# Altium PCB Allwinner_A13_BRD.PcbDoc (part 3 of 5)
Units mil, origin at the board's own origin, x right, y up, seen from the top; angles counter-clockwise.
Board outline 3937 x 2895 mil, 4 copper layers (Top Layer, power, gnd, Bottom Layer), stack 68.553 mil thick; 348 components, 338 nets, 1570 pads, 834 vias.
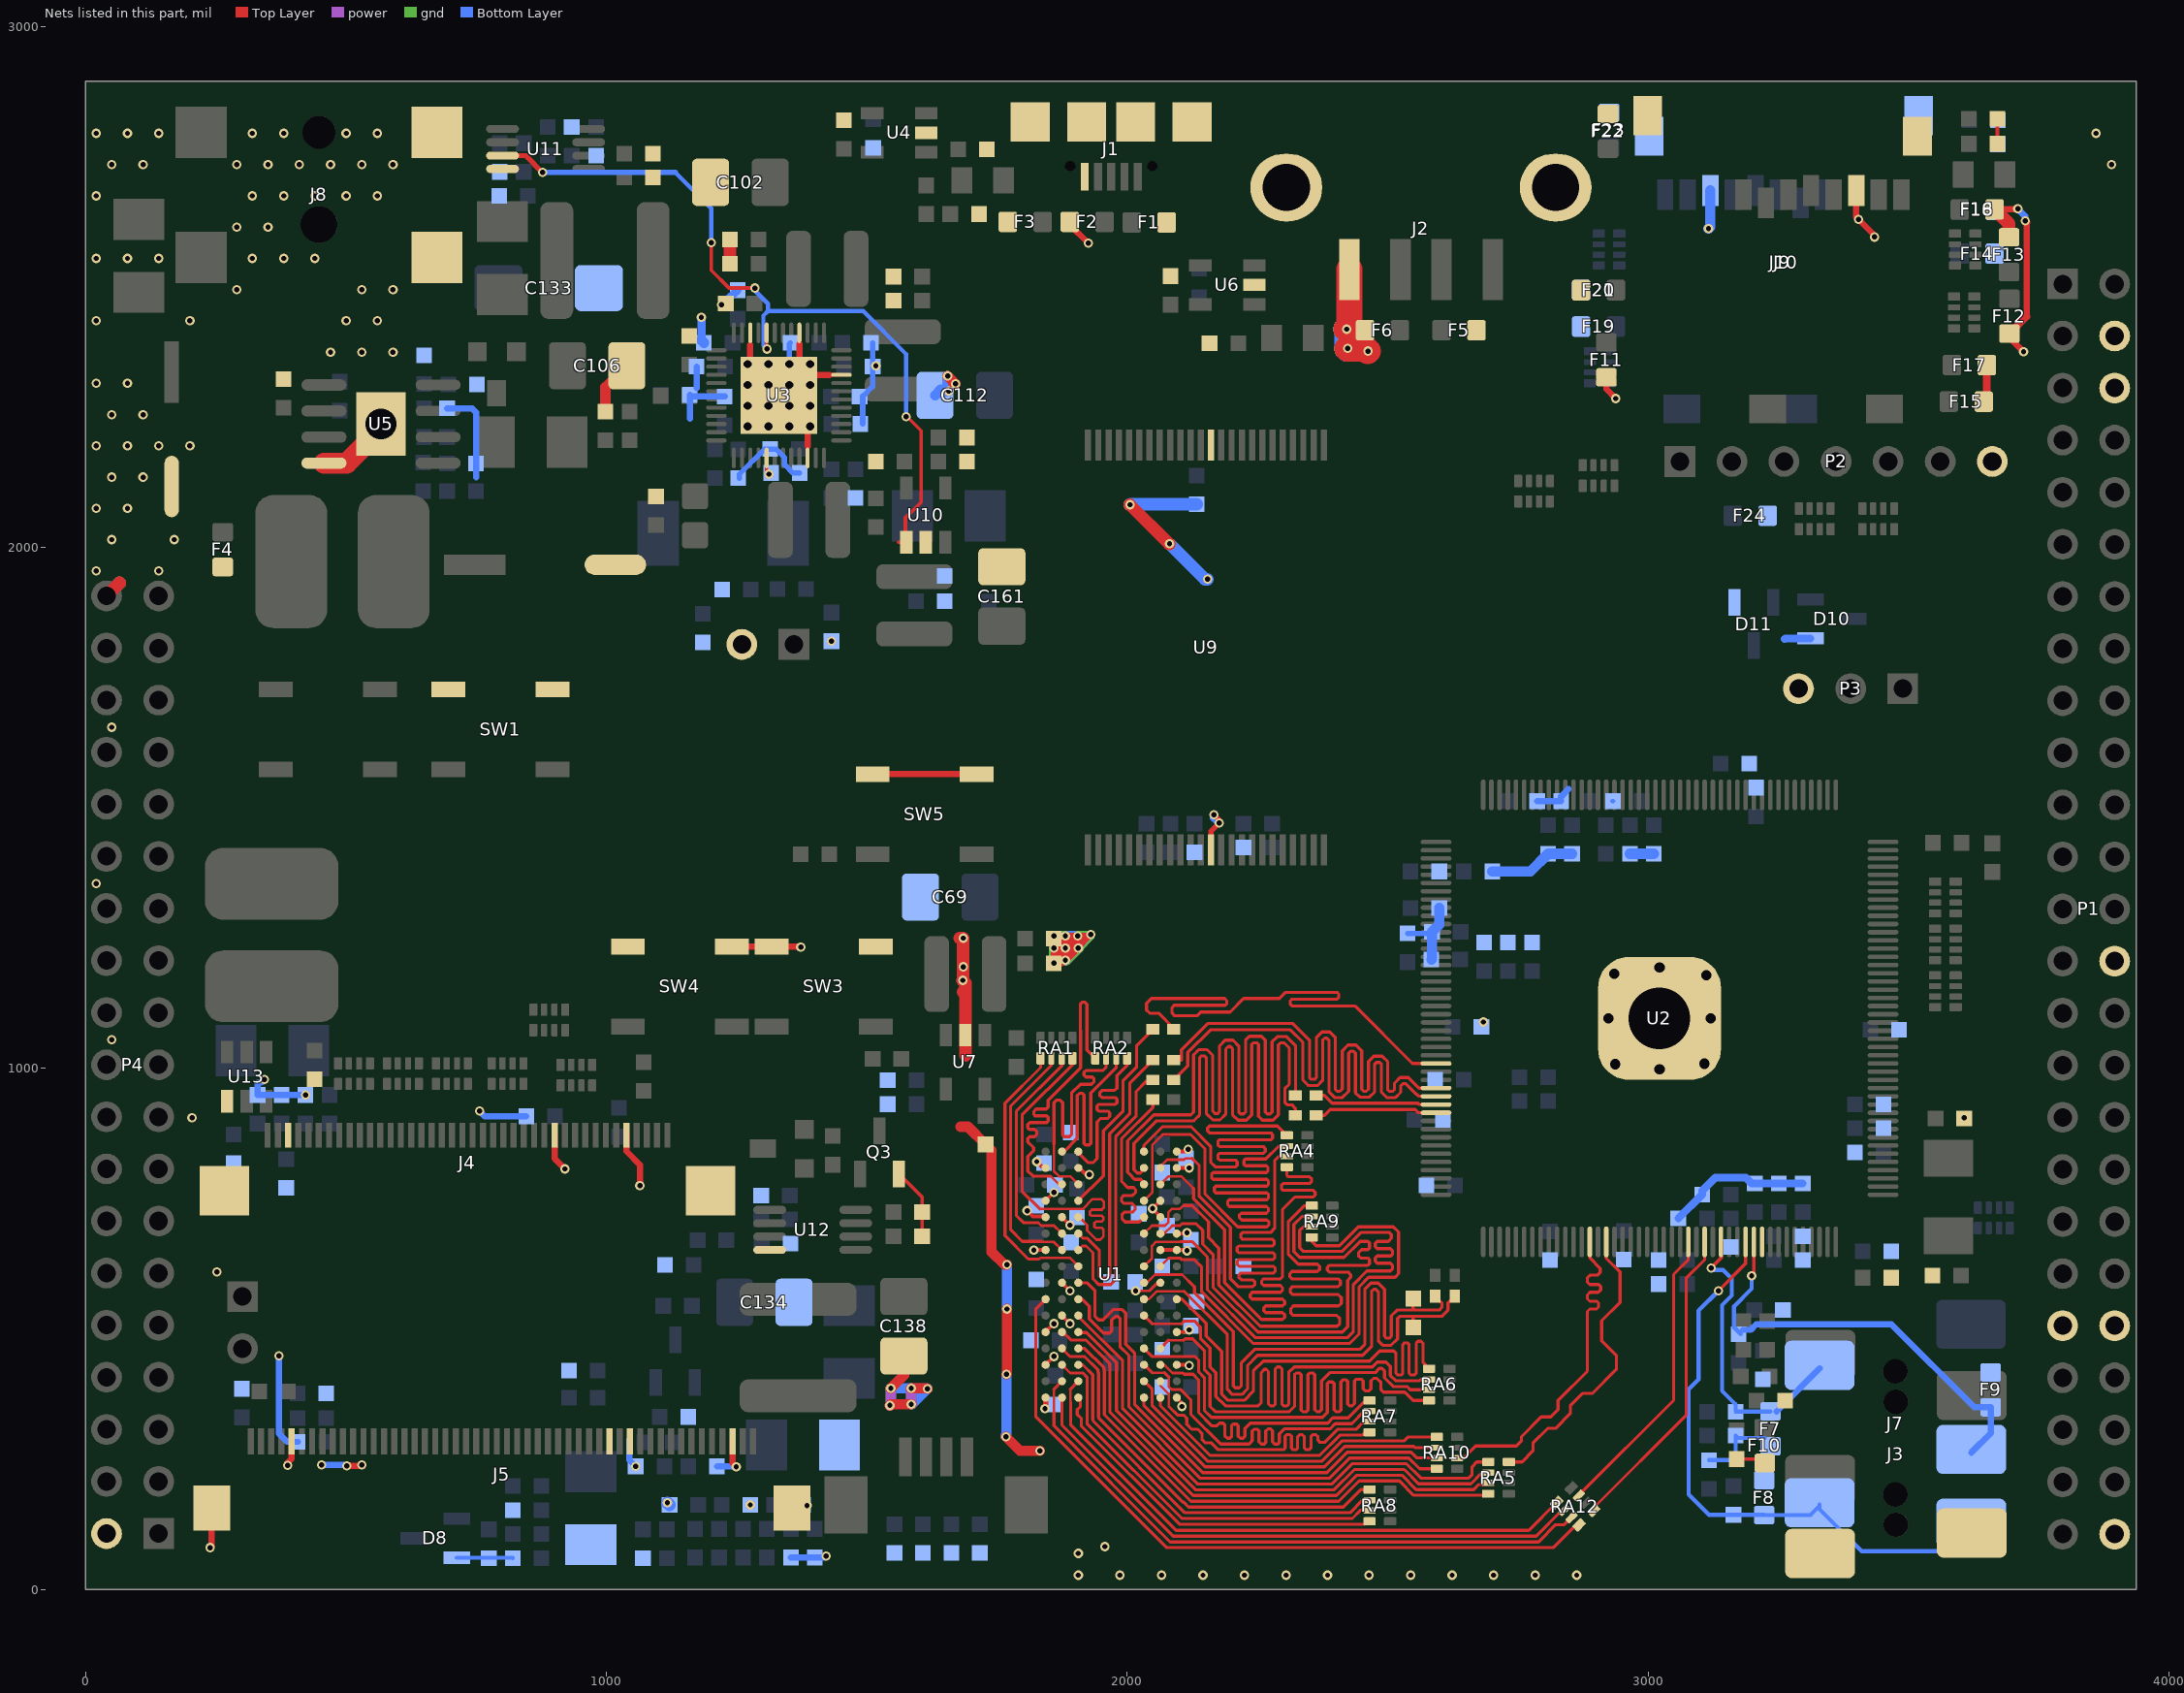
[diagram p5: the nets of this part, all layers, seen from the top]

## Via types
v1: diameter 18, hole 10, Top Layer to Bottom Layer, tented both sides, 765 vias
v2: diameter 18/18/18/18 (per signal layer), hole 10, Top Layer to Bottom Layer, tented both sides, 41 vias
v3: diameter 25.98, hole 15.75, Top Layer to Bottom Layer, 16 vias
v4: diameter 39.37, hole 19.68, Top Layer to Bottom Layer, tented both sides, 8 vias
v5: diameter 18, hole 10, Top Layer to Bottom Layer, 3 vias
v6: diameter 157.48, hole 118.11, Top Layer to Bottom Layer, tented both sides, 1 vias

## Nets (pads, with @x,y where several pads share a name; then routed paths per layer and width w, separated by ;. In a path a pad name is that pad's centre, name@x,y a point inside that pad or via, vN(x,y) a via of type N, cw(c..) or ccw(c..) an arc to the next point about the centre after c; other vN are vias at no path point) (continued)
DDM1: R82.1 U2.28 | length 1144.1
  Top Layer w6: R82.1@2089,1075 2089,1077 2060,1106 2043,1106 2037,1112 2037,1125 2046,1134 2187,1134 2191,1130 2191,1124 2188,1121 2090,1121 2086,1117 2086,1106 2091,1101 2134,1101 2141,1108 2197.44,1108 2223.44,1134 2292,1134 2304,1146 2403,1146 2406,1143 2406,1136 2403,1133 2316,1133 2313,1130 2313,1123 2316,1120 2436.77,1120 2547.39,1009.39 U2.28@2592.87,1009.39
DDQS0: R83.1 U2.31 | length 1124.8
  Top Layer w6: R83.1@2089,1016 2104,1016 2104,1035.5 2154.5,1086 2318,1086 2350,1054 2350,982 2353,979 2360,979 2363,982 2363,1059.04 2374.03,1070.07 2388.44,1070.07 2396,1062.51 2396,1062.44 2399.51,1058.93 2399.51,959.51 2403.03,956 2408.03,956 2413,960.97 2413,1034 2416.51,1037.51 2420.51,1041.51 2424.03,1045.03 2438.97,1045.03 2450,1034 2450,960 2454,956 2459,956 2463,960 2463,1013.5 2473.03,1023.53 2489.44,1023.53 2500,1012.97 2500,959 2503,956 2510,956 2513,959 2513,971.61 2524.03,982.64 2539.84,982.64 2560.34,962.14 U2.31@2592.87,962.14
DDQS0_N: R84.1 U2.32 | length 1140.8
  Top Layer w6: R84.1@2089,978 2116,1005 2116,1030.53 2159.47,1074 2313.03,1074 2337,1050.03 2337,978.03 2340.51,974.51 2344.51,970.51 2348.03,967 2364.97,967 2375,977.03 2375,1054.07 2379,1058.07 2383,1058.07 2387.51,1053.56 2387.51,954.54 2398.06,944 2413,944 2425,956 2425,1029.03 2429,1033.03 2434,1033.03 2438,1029.03 2438,953.03 2446.03,945 2464.97,945 2475,955.03 2475,1008.53 2478,1011.53 2484.47,1011.53 2488,1008 2488,954.03 2498.03,944 2514.97,944 2525,954.03 2525,966.64 2529,970.64 2534.87,970.64 2555.37,950.14 2556.59,950.14 2560.34,946.39 U2.32@2592.87,946.39
DDQS1: R85.1 U2.33 | length 237.1
  Top Layer w6: R85.1@2363,948 2378.5,948 2393.5,933 2557.98,933 2560.34,930.65 U2.33@2592.87,930.65
DDQS1_N: R86.1 U2.34 | length 237
  Top Layer w6: R86.1@2363,910 2378.5,910 2389.5,921 2553.01,921 2559.12,914.9 U2.34@2592.87,914.9
DDR_A0: RA5.4 U1.N3 | length 988.8
  Top Layer w6: U1.N3@1906.04,462.45 1918.11,462.45 1955,425.56 1955,421.67 1955.78,420.89 1955.78,335.22 2122,169 2406,169 2445,208 2522.56,208 2550.07,180.49 RA5.4@2693.31,180.49
DDR_A1: RA7.2 U1.P7 | length 654.4
  Top Layer w5: U1.P7@2032.02,430.95 U1.P7@2033.05,430.95 ; 2048.42,415.58 2071.42,415.58 ; 2079.64,407.36 2079.64,389.36 2085.29,383.71 2101.72,383.71
  Top Layer w6: U1.P7@2033.05,430.95 2048.42,415.58 ; 2071.42,415.58 2079.64,407.36 ; 2101.72,383.71 2122,363.43 2122,336 2179,279 2234,279 2240,285 2240,304 2243,307 2250,307 2253,304 2253,283 2257,279 2263,279 2266,282 2266,304 2270,308 2275,308 2279,304 2279,283 2283,279 2289,279 2292,282 2292,298.56 2301.44,308 2389.22,308 2399.22,318 2431,318 2454.84,341.84 RA7.2@2465.31,341.84
DDR_A2: RA8.2 U1.P3 | length 740.2
  Top Layer w6: U1.P3@1906.04,426.2 1910.83,431 1914.56,431 1933.78,411.78 1933.78,326.11 1934,325.89 1934,323.78 2110.78,147 2427.44,147 2451.29,170.84 RA8.2@2465.31,170.84
DDR_A3: RA8.1 U1.N2 | length 784.1
  Top Layer w5: 1894.3,446.7 1918.3,446.7
  Top Layer w6: U1.N2@1874.54,462.45 1890.29,446.7 1894.3,446.7 ; 1918.3,446.7 1944,421 1944,417.11 1944.78,416.33 1944.78,330.67 1945,330.44 1945,329 2107,167 2108.44,167 2117.44,158 2415,158 2448.51,191.51 RA8.1@2465.31,191.51
DDR_A4: RA7.1 U1.P8 | length 598.7
  Top Layer w5: U1.P8@2063.52,430.95 2070.9,430.95 2086.64,415.2 2106.89,415.2
  Top Layer w6: 2106.89,415.2 2109.23,412.87 2126.13,412.87 2137,402 2137,339 2162,314 2172,314 2177,319 2184,319 2187,316 2187,295 2192,290 2197,290 2200,293 2200,314 2203,317 2210,317 2213,314 2213,294 2217,290 2222,290 2226,294 2226,309 2236,319 2384.66,319 2394.66,329 2424,329 2457.51,362.51 RA7.1@2465.31,362.51
DDR_A5: RA8.3 U1.P2 | length 771.6
  Top Layer w5: U1.P2@1874.54,430.95 1890.29,415.2 1912.74,415.2
  Top Layer w6: 1912.74,415.2 1914.8,415.2 1922.78,407.22 1922.78,317.78 2104.56,136 2432,136 2447.16,151.16 RA8.3@2465.31,151.16
DDR_A6: RA7.3 U1.R8 | length 641.3
  Top Layer w5: U1.R8@2063.52,392.48 2063.52,391.34 2079.64,375.22 2079.64,351.37 2080,351.01
  Top Layer w6: U1.R8@2063.52,392.48 U1.R8@2063.52,399.46 ; 2080,351.01 2097.01,334 2109,334 2109,333.44 2114.22,328.22 2114.22,316.78 2123.78,307.22 2135.22,307.22 2143.72,298.72 2143.72,287.28 2150,281 2161.44,281 2174.44,268 2300,268 2303,271 2303,294 2306,297 2312,297 2315,294 2315,271 2318,268 2324,268 2327,271 2327,293 2331,297 2336,297 2340,293 2340,271 2343,268 2349,268 2353,272 2353,294 2356,297 2362,297 2366,293 2366,286 2370,282 2378.77,282 2403.77,307 2439,307 2454.16,322.16 RA7.3@2465.31,322.16
DDR_A7: RA12.3 U1.R2 | length 1197.8
  Top Layer w5: 1859,341 1859,383.91
  Top Layer w6: 1859,341 1859,314 2082,91 2789.56,91 2822.56,124 2838.92,124 RA12.3@2853.04,138.12 ; 1859,383.91 U1.R2@1874.54,399.46
DDR_A8: RA7.4 U1.T8 | length 475.6
  Top Layer w6: U1.T8@2063.52,367.96 2063.52,351.93 2158.45,257 2369.33,257 2408.33,296 2451,296 2456.49,301.49 RA7.4@2465.31,301.49
DDR_A9: RA12.1 U1.R3 | length 1129.8
  Top Layer w5: 1890.67,384.08 1890.67,361.59 1891,361.26 1891,359
  Top Layer w6: 1890.67,384.08 U1.R3@1906.04,399.46 ; 1891,359 1891,316 2094,113 2770.85,113 RA12.1@2824.51,166.66
DDR_A10: RA6.2 U1.L7 | length 1050.9
  Top Layer w5: 2047.77,509.69 2104.4,509.69
  Top Layer w6: U1.L7@2032.02,525.44 2047.77,509.69 ; 2104.4,509.69 2109.71,515 2129,515 2140.54,503.46 2140.54,481.54 2159,463.08 2159,426.67 2170,415.67 2170,370.44 2188.44,352 2251,352 2257,358 2257,416 2263,422 2267,422 2271,418 2271,356 2275,352 2281,352 2284,355 2284,423 2288,427 2293,427 2297,423 2297,355 2300,352 2306.44,352 2310,355.56 2310,416.56 2320.44,427 2471,427 2480,436 2497,436 2505,428 2505,410.44 2515.06,400.39 2561.39,400.39 2563.84,402.84 RA6.2@2579.31,402.84
DDR_A11: RA10.1 U1.R7 | length 663.6
  Top Layer w5: 2047.77,352.12 2047.77,383.71
  Top Layer w6: U1.R7@2032.02,399.46 2047.77,383.71 ; 2047.77,352.12 2153.89,246 2373.89,246 2412.89,285 2532,285 2539.51,292.51 RA10.1@2594.31,292.51
DDR_A12: RA6.4 U1.N7 | length 978
  Top Layer w5: 2047.77,446.7 2101.72,446.7
  Top Layer w6: U1.N7@2032.02,462.45 2047.77,446.7 ; 2101.72,446.7 2111.24,446.7 2111.41,446.87 2130.13,446.87 2137,440 2137,417.56 2148,406.56 2148,343.56 2161.56,330 2375,330 2384,339 2384,395 2387,398 2394,398 2397,395 2397,345 2401,341 2407,341 2410,344 2410,398 2414,402 2420,402 2423,399 2423,356 2427,352 2431.44,352 2436,356.56 2436,400 2439,403 2450,403 2453,400 2453,385 2457,381 2464,381 2468,385 2468,400 2473,405 2479,405 2487,397 2487,383 2491.61,378.39 2532.61,378.39 2548.51,362.49 RA6.4@2579.31,362.49
DDR_A13: RA8.4 U1.T3 | length 697.5
  Top Layer w6: U1.T3@1906.04,367.96 1910,364 1910,351 1904,345 1904,335.78 1911.78,328 1911.78,313.22 2100,125 2455.83,125 RA8.4@2465.31,134.49
DDR_A14: RA10.2 U1.T7 | length 643.6
  Top Layer w6: U1.T7@2032.02,367.96 2032.02,352.31 2149.34,235 2378.44,235 2417.44,274 2549.89,274 2552.05,271.84 RA10.2@2594.31,271.84
DDR_BA0: RA5.3 U1.M2 | length 1032.2
  Top Layer w5: 1891.43,478.57 1920.43,478.57
  Top Layer w6: U1.M2@1876.06,493.94 1891.43,478.57 ; 1921,478 1966,433 1966,426.23 1966.78,425.45 1966.78,339.78 2126.56,180 2401.44,180 2440.44,219 2527.11,219 2554.62,191.49 2665,191.49 2674.67,201.16 RA5.3@2693.31,201.16
DDR_BA1: RA6.3 U1.N8 | length 1006.4
  Top Layer w5: 2078.92,477.85 2107.85,477.85
  Top Layer w6: U1.N8@2063.52,462.45 2078.92,477.85 ; 2107.85,477.85 2110.87,480.87 2125.65,480.87 2148,458.52 2148,422.11 2159,411.11 2159,351 2169,341 2311,341 2321,351 2321,412 2324,415 2331,415 2334,412 2334,344 2337,341 2344,341 2347,344 2347,412 2350,415 2357,415 2360,412 2360,345 2364,341 2369,341 2373,345 2373,400 2389,416 2476,416 2484,424 2489,424 2494,419 2494,405.89 2510.5,389.39 2537.17,389.39 2543.4,383.16 RA6.3@2579.31,383.16
DDR_BA2: RA5.2 U1.M3 | length 1003.3
  Top Layer w6: U1.M3@1906.04,489.07 1909.97,493 1921.56,493 1979,435.56 1979,343.11 2131.11,191 2396.89,191 2435.89,230 2531.67,230 2559.18,202.49 2660,202.49 2678.35,220.84 RA5.2@2693.31,220.84
DDR_CAS: RA10.4 U1.K3 | length 997.8
  Top Layer w6: U1.K3@1906.04,556.94 1913.06,556.94 1927,543 1927,519 1954,492 1966,492 1970,496 1970,517 1977,524 1982,524 1986,520 1986,465.91 2003,448.91 2003,350.23 2140.23,213 2387.77,213 2426.77,252 2540.78,252 2561.29,231.49 RA10.4@2594.31,231.49
DDR_CK: C21.2 R18.2 U1.J7 | length 1100.8
  Top Layer w5: U1.J7@2032.02,588.43 2037.43,588.43 2053.18,604.18 2105.26,604.18
  Top Layer w6: 2105.26,604.18 2128.44,581 2129,581 2129,568.97 2203.38,494.59 2203.38,390.62 2207,387 2215,387 2219,391 2219,434.97 2245.03,461 2447,461 2456,470 2456,575.97 2468.03,588 2481.97,588 2494,575.97 2494,486 2498,482 2503,482 2507,486 2507,524.97 2518.03,536 2549,536 ; C21.2@2549,558 2549,536 ; R18.2@2591,563 2604,550 2604,541 2599,536 2549,536
DDR_CK_N: C21.1 R20.2 U1.K7 | length 1110.4
  Top Layer w5: U1.K7@2032.02,556.94 2041.47,556.94 2056.84,572.31 2108.69,572.31 2109,572
  Top Layer w6: 2109,572 2192,489 2192,383.78 2201.78,374 2220,374 2231,385 2231,430 2250,449 2451.97,449 2455.49,452.51 2469,466.03 2469,572 2473,576 2477,576 2482,571 2482,477.03 2482.51,476.51 2490.53,468.5 2506.5,468.5 2519,481 2519,520 2523,524 2548,524 ; C21.1@2549,503 2549,523 2548,524 ; R20.2@2629,563 2616,550 2616,536.03 2603.97,524 2548,524
DDR_CKE: RA6.1 U1.K9 | length 949.7
  Top Layer w6: U1.K9@2095.02,556.94 2105.06,556.94 2151.54,510.46 2151.54,486.09 2181,456.63 2181,375 2193,363 2224.56,363 2242,380.44 2242,419 2261,438 2465,438 2484.5,457.5 2511.5,457.5 2516,453 2516,415 2519.61,411.39 2526,411.39 2529,414.39 2529,470 2532,473 2538,473 2541,470 2541,415 2544.61,411.39 2551,411.39 2555,415.39 2555,473 2558,476 2564,476 2568,472 2568,434.83 RA6.1@2579.31,423.51
DDR_D0: RA1.4 U1.E3 | length 689.8
  Top Layer w5: 1831.83,730.17 1914.17,730.17 1933,749 1950,749 1955,744 1955,733 1951,729 1932,729 1928,725 1928,720 1931,717 1951,717 1954,714 1954,709 1951,706 1940,706 1937,703 1937,696 1939,694 1951,694 1954,691 1954,677 1948,671 1941,671 1923,689 1923,699 1907.58,714.42 U1.E3@1906.04,714.42
  Top Layer w6: 1831.83,730.17 1798,764 1798,910.44 1894.51,1006.96 RA1.4@1894.51,1019.31
DDR_D1: RA9.1 U1.F7 | length 1373.9
  Top Layer w5: U1.F7@2032.02,682.92 2047.4,698.3 2072.3,698.3 2078.89,704.89 2078.89,723.89 2085.54,730.54 2101.38,730.54 2107.71,736.87 2108.42,736.87
  Top Layer w6: 2108.42,736.87 2124.65,736.87 2156,705.52 2156,675 2175.76,655.24 2175.76,584.43 2255.2,505 2403,505 2408,510 2408,520 2402,526 2318,526 2314,530 2314,539 2319,544 2406,544 2411,549 2411,560 2405,566 2317,566 2313,570 2313,577 2317,581 2405,581 2409,585 2409,592 2405,596 2316,596 2312,600 2312,606 2316,610 2365,610 2369,614 2369,620 2365,624 2328.44,624 2309,643.44 2309,705 2340.51,736.51 RA9.1@2354.31,736.51
DDR_D2: RA1.3 U1.F2 | length 439.9
  Top Layer w5: 1827.65,703.87 1829.13,703.87 1834.7,698.3 1859.17,698.3 U1.F2@1874.54,682.92
  Top Layer w6: 1827.65,703.87 1800.13,703.87 1787,717 1787,918 1873.84,1004.84 RA1.3@1873.84,1019.31
DDR_D3: RA9.2 U1.F8 | length 1079.4
  Top Layer w5: U1.F8@2063.52,682.92 2071.06,682.92 2086.44,698.3 2101.34,698.3 2104.91,701.87
  Top Layer w6: 2104.91,701.87 2132.13,701.87 2145,689 2145,662.73 2164.76,642.97 2164.76,579.88 2250.64,494 2413,494 2423,504 2423,593 2429,599 2429,604 2424,609 2388,609 2384,613 2384,618 2388,622 2462,622 2465,625 2465,633 2462,636 2448,636 2444,640 2444,646 2450,652 2462,652 2465,655 2465,665 2462,668 2447.15,668 2416.15,637 2331,637 2320,648 2320,700.44 2335.4,715.84 RA9.2@2354.31,715.84
DDR_D4: RA1.1 U1.H3 | length 536
  Top Layer w5: 1830.87,633.87 1833,636 1889.97,636 U1.H3@1906.04,619.93
  Top Layer w6: 1830.87,633.87 1810.13,633.87 1765,679 1765,933 1833.49,1001.49 RA1.1@1833.49,1019.31
DDR_D5: RA9.4 U1.H8 | length 946
  Top Layer w5: U1.H8@2063.52,619.93 2079.27,635.68 2101.95,635.68
  Top Layer w6: 2101.95,635.68 2104.76,632.87 2129,632.87 2129,632 2142.76,618.24 2142.76,570.76 2241.53,472 2427,472 2445,490 2445,580.53 2463.47,599 2514,599 2521,606 2521,686 2511,696 2443.56,696 2443.56,695.51 2407.66,659.61 2362.39,659.61 2354.31,667.69 RA9.4@2354.31,675.49
DDR_D6: RA1.2 U1.G2 | length 476.2
  Top Layer w5: 1835.65,667.87 1836.72,666.8 1859.17,666.8 U1.G2@1874.54,651.43
  Top Layer w6: 1835.65,667.87 1798.13,667.87 1776,690 1776,928 1854.16,1006.16 RA1.2@1854.16,1019.31
DDR_D7: RA9.3 U1.H7 | length 1163.3
  Top Layer w5: U1.H7@2032.02,619.93 2047.4,635.3 2047.4,659.4 2055.17,667.17 2101.72,667.17
  Top Layer w6: 2101.72,667.17 2125,667.17 2153.76,638.41 2153.76,575.32 2246.08,483 2422.44,483 2434,494.56 2434,585.08 2459.92,611 2505,611 2509,615 2509,622 2505,626 2480,626 2476,630 2476,636 2480,640 2506,640 2509,643 2509,650 2505,654 2480,654 2476,658 2476,664 2480,668 2501,668 2507,674 2507,681 2503,685 2448.6,685 2412.21,648.61 2338.39,648.61 2331,656 2331,689 2338.16,696.16 RA9.3@2354.31,696.16
DDR_D8: RA4.2 U1.D7 | length 1393.5
  Top Layer w5: U1.D7@2032.02,745.91 2048.15,762.04 2048.15,853.15 2067,872
  Top Layer w6: 2067,872 2068,873 2122,873 2149,846 2149,759.19 2212.19,696 2268,696 2272,700 2272,705 2268,709 2220,709 2215,714 2215,718 2219,722 2267,722 2271,726 2271,731 2267,735 2196,735 2193,738 2193,745 2196,748 2268,748 2271,751 2271,758 2268,761 2170,761 2167,764 2167,771 2170,774 2268,774 2271,777 2271,784 2268,787 2165,787 2162,790 2162,797 2165,800 2267,800 2270,803 2270,810 2267,813 2227,813 2224,816 2224,823 2227,826 2266,826 2290.84,850.84 RA4.2@2306.31,850.84
DDR_D9: RA2.2 U1.C3 | length 519.6
  Top Layer w5: 1859.17,855 1859.17,802.54 1868.92,792.78 1890.67,792.78 U1.C3@1906.04,777.41
  Top Layer w6: 1859.17,855 1859,855.17 1859,934 1864,939 1871,939 1876,934 1876,872 1879,869 1889,869 1893,873 1893,952.56 1909.94,969.5 1930.94,969.5 1936,974.56 1936,980 1932.5,983.5 1920.5,983.5 1917,987 1917,992.44 1920.56,996 1953,996 1959.16,1002.16 RA2.2@1959.16,1019.31
DDR_D10: RA4.4 U1.C8 | length 1184.6
  Top Layer w5: U1.C8@2063.52,777.41 2078.89,792.78 2103.74,792.78 2123,773.52
  Top Layer w6: 2123,773.52 2127,769.52 2127,750.08 2186.76,690.31 2186.76,588.99 2257.75,518 2298,518 2302,522 2302,527 2298,531 2266,531 2262,535 2262,540 2266,544 2298,544 2302,548 2302,553 2298,557 2240,557 2236,561 2236,566 2240,570 2294,570 2298,574 2298,579 2294,583 2262,583 2258,587 2258,592 2262,596 2294,596 2298,600 2298,729 2322,753 2357,753 2361,757 2361,762 2357,766 2299,766 2296,769 2296,776 2299,779 2350,779 2354,783 2354,788 2350,792 2309,792 2306.31,794.69 RA4.4@2306.31,810.49
DDR_D11: RA2.1 U1.C2 | length 665.4
  Top Layer w5: 1836.35,793.16 1852.84,793.16 1868.59,777.41 U1.C2@1874.54,777.41
  Top Layer w6: 1823,870 1822,869 1813,869 1809,865 1809,859 1820,848 1820,842 1809,831 1809,803 1818.84,793.16 1836.35,793.16 ; 1823,870.04 1826,873.04 1826,879 1822,883 1812,883 1809,886 1809,892 1813,896 1845,896 1848,899 1848,906 1845,909 1823,909 1820.56,911.44 1820.56,917.44 1825.06,921.94 1844.61,921.94 1848,925.33 1848,939 1910.39,1001.39 1910.39,1072.66 1910,1073.04 1910,1124 1913,1127 1919,1127 1922.61,1123.39 1922.61,1035.19 RA2.1@1938.49,1019.31
DDR_D12: RA4.1 U1.A7 | length 919.7
  Top Layer w6: U1.A7@2032.02,840.4 2032.02,852.58 2067.44,888 2122.56,888 2160,850.56 2160,820 2169,811 2208,811 2211,814 2211,821 2208,824 2177,824 2174,827 2174,834 2177,837 2261.44,837 2265,840.56 2265,846 2261,850 2177,850 2174,853 2174,860 2177,863 2276,863 2279,866 2279,873 2276,876 2158,876 2154,880 2154,885.5 2158,889.5 2288.33,889.5 RA4.1@2306.31,871.51
DDR_D13: RA2.3 U1.A2 | length 430
  Top Layer w6: U1.A2@1874.54,840.4 1878.4,840.4 1904,866 1904,948 1908,952 1914,952 1917,949 1917,856 1920,853 1927,853 1930,856 1930,953 1978.84,1001.84 RA2.3@1978.84,1019.31
DDR_D14: RA4.3 U1.B8 | length 1135.2
  Top Layer w5: U1.B8@2063.52,808.91 2063.52,811.52 2076.65,824.65 2109.15,824.65 2111.49,827 2124.52,827
  Top Layer w6: 2124.52,827 2138,813.52 2138,754.63 2197.76,694.87 2197.76,596 2212.76,581 2241,581 2245,585 2245,590 2241,594 2219,594 2214,599 2214,603 2218,607 2281,607 2284,610 2284,617 2281,620 2215,620 2211,624 2211,630 2214,633 2280,633 2283.07,636.07 2283.07,642.93 2280,646 2214,646 2211,649 2211,656 2214,659 2279,659 2282,662 2282,669 2279,672 2221,672 2218,675 2218,682 2221,685 2275,685 2283,693 2283,822.86 2291.3,831.16 RA4.3@2306.31,831.16
DDR_D15: RA2.4 U1.A3 | length 379.4
  Top Layer w6: U1.A3@1906.04,840.4 1906.04,837.96 1925,819 1934,819 1942,827 1942,897 1949,904 1962.44,904 1966,907.56 1966,915 1963,918 1945,918 1942,921 1942,928 1945,931 1977,931 1980,934 1980,941 1977,944 1951,944 1947,948 1947,953 1952,958 1976,958 1980,962 1980,986 1999.51,1005.51 RA2.4@1999.51,1019.31
DDR_DM0: R81.2 U1.E7 | length 383.3
  Top Layer w6: U1.E7@2032.02,712.02 U1.E7@2032.02,714.42 2022.61,705 1996,705 1990,711 1990,720 1994,724 2010,724 2015,729 2015,735 2009,741 1993,741 1989,745 1989,752 1993,756 2010,756 2016,762 2016,767 2012,771 2001,771 1989,783 1989,865 2049,925 R81.2@2049,940
DDR_DM1: R82.2 U1.D3 | length 388.3
  Top Layer w6: U1.D3@1906.04,745.91 1954,793.87 1954,880 1992,918 1992,977 2018,1003 2018,1044 R82.2@2049,1075
DDR_DQS0: R83.2 U1.F3 | length 575.3
  Top Layer w6: U1.F3@1906.04,682.92 1914.96,674 1922.97,674 1926.49,670.49 1946,650.97 1946,601 1950,597 1961,597 1966,602 1966,698.03 1966,874.53 2005,913.53 2005,972 R83.2@2049,1016
DDR_DQS0_N: R84.2 U1.G3 | length 557.4
  Top Layer w6: U1.G3@1906.04,651.43 1913.61,659 1921,659 1934,646 1934,596.03 1945.03,585 1968,585 1978,595 1978,703 1978,869.56 2017,908.56 2017,956 2036,975 2046,975 R84.2@2049,978
DDR_DQS1: R85.2 U1.C7 | length 1467.2
  Top Layer w6: U1.C7@2032.02,777.41 ccw(c2023.41,777.41) 2029.5,783.5 2026,787 2014.03,787 2004.04,796.99 2000.53,800.5 2000.53,860.97 2050.56,911 2122,911 2127,916 2127,1025.97 2130.51,1029.49 2133.51,1032.49 2137.03,1036 2152.97,1036 2156.49,1032.49 2164,1024.97 2164,918 2169,913 2173,913 2177,917 2177,1043 ; 2177.03,1043 2188.03,1054 2203,1054 2214.03,1042.97 ; 2214,1042.97 2214,916 2217.5,912.5 2223.53,912.5 2227,915.97 2227,1054 2234.5,1061.5 2257.5,1061.5 2265,1054 2265,916 2268.5,912.5 2274.5,912.5 2278,916 2278,1050.97 2288.03,1061 2306,1061 2323,1044 R85.2@2323,951
DDR_DQS1_N: R86.2 U1.B7 | length 1465.2
  Top Layer w6: U1.B7@2036,810 2025,799 2019,799 2012.53,805.47 2012.53,856 2055.53,899 2126.97,899 2130.49,902.51 2139,911.03 2139,1021 2142,1024 2148,1024 2152,1020 2152,913.03 2164.03,901 2177.97,901 2189,912.03 2189,1037 ; 2189.03,1037 2194.03,1042 2198.03,1042 2202.03,1038 ; 2202,1038 2202,911.03 2212.53,900.5 2228.5,900.5 2239,911 2239,1046 2242,1049 2249,1049 2252,1046 2252,908.03 2252.51,907.51 2259.53,900.5 2279.5,900.5 2290,911 2290,1045 2294,1049 2301.03,1049 2311,1039.03 2311,969.81 2302.5,961.31 2302.5,934.69 2307.19,930 2316,930 2323,923 R86.2@2323,910
DDR_ODT: RA12.4 U1.K1 | length 1398.9
  Top Layer w6: U1.K1@1843.05,556.94 1824,537.89 1824,332 2076,80 2818,80 2861.51,123.51 RA12.4@2867.66,123.51
DDR_RAS: RA10.3 U1.J3 | length 997.8
  Top Layer w6: U1.J3@1906.04,588.43 1922.57,588.43 1938,573 1938,524 1945,517 1953,517 1973,537 1990,537 1997,530 1997,470.47 2014,453.47 2014,354.78 2144.78,224 2383,224 2422,263 2545.34,263 2556.18,252.16 RA10.3@2594.31,252.16
DDR_RST: RA12.2 U1.T2 | length 1126.2
  Top Layer w6: U1.T2@1874.54,367.96 1874.54,315.46 2088,102 2785,102 2835.04,152.04 RA12.2@2839.12,152.04
DDR_WE: RA5.1 U1.L3 | length 1024.3
  Top Layer w6: U1.L3@1906.04,524.07 1991,439.11 1991,346.67 2135.67,202 2392.33,202 2431.33,241 2536.23,241 2563.74,213.49 2655.44,213.49 2662,220.04 2662,235.44 2671.07,244.51 RA5.1@2693.31,244.51
DODT: RA12.5 U2.72 | length 603.8
  Top Layer w6: RA12.5@2895.49,151.34 2895.49,156.49 3073,334 3073,597 3108.61,632.61 U2.72@3108.61,666.87
DRAS: RA10.6 U2.58 | length 682.5
  Top Layer w6: RA10.6@2633.69,252.16 2645.71,252.16 2668.56,275 2747,275 2757,285 2757,293.33 2794.73,331.06 2813.39,331.06 2827,344.67 2827,362.44 2883.39,418.84 2883.39,533.39 2888,538 2901,538 2904.78,541.78 2904.78,550.22 2902,553 2888,553 2883.39,557.61 2883.39,565 2888.39,570 2904,570 2909,575 2909,581 2905,585 2888,585 2883.39,589.61 2883.39,598 2888.39,603 2902.39,603 2908,608.61 2908,616 2888.14,635.86 U2.58@2888.14,666.87
DRST: RA12.7 U2.70 | length 574
  Top Layer w6: RA12.7@2866.96,179.88 2866.96,180.96 3049,363 3049,604.22 3077.12,632.34 U2.70@3077.12,666.87
DWE: RA5.8 U2.60 | length 590.7
  Top Layer w6: RA5.8@2732.69,241.51 2739.51,241.51 RA5.8@2742.51,244.51 ; RA5.8@2732.69,244.51 RA5.8@2742.51,244.51 ; U2.60@2919.64,666.87 2919.64,635.48 2946,609.11 2946,550.67 2911,515.67 2911,477 2939,449 2939,422.34 2892.66,376 2874,376 2850.72,352.72 2850.72,337.28 2822.44,309 2807,309 2779,281 2779,265.56 2757.96,244.51 RA5.8@2742.51,244.51
ETH_3.3V: C66.1 U3.41 | length 32.9
  Top Layer w7: U3.41@1307.38,2171.92 1307.38,2145.14 v1(1311.68,2140.83)
EXTEN: U3.20 U10.1 U11.3 | length 1528.2
  Top Layer w7: v1(1201,2585) 1201,2532 1235,2498 v1(1285,2498) ; U3.20@1307.38,2412.08 1307.38,2380.62 1307.76,2381 v1(1308,2381) ; 1560.96,2010.03 U10.1@1575.6,2010.03 1574,2011.63 1574,2057 1604,2087 1604,2224 1577,2251 v1(1575,2251)
  Top Layer w10: U11.3@800.32,2752.2 844.8,2752.2 v1(877,2720)
  Bottom Layer w8: 1132,2720 1201,2651 v1(1201,2585) ; v1(1285,2498) 1285,2493 1310,2468 1310,2454 ; v1(1308,2381) 1307,2381 1301,2387 1301,2445 1310,2454 ; v1(1575,2251) 1575,2371.73 1492.73,2454 1310,2454
  Bottom Layer w10: v1(877,2720) 1132,2720
GND: C1.1 C3.1 C4.1 C5.1 C7.2 C8.2 C9.2 C10.2 C11.1 C12.2 C13.2 C14.2 C15.2 C16.2 C17.2 C18.2 C19.2 C20.2 C22.2 C23.2 C24.2 C25.2 C26.1 C27.1 C28.1 C29.1 C30.1 C31.1 C32.1 C34.2 C35.2 C36.2 C37.2 C38.2 C39.1 C40.2 C41.1 C42.2 C43.1 C44.2 C45.2 C46.2 C47.2 C48.1 C49.2 C50.2 C51.2 C52.2 C53.2 C54.2 C55.1 C56.1 C57.2 C58.1 C59.2 C60.2 C61.2 C62.2 C63.2 C64.1 C65.1 C66.2 C67.1 C68.1 C69.2 C70.1 C71.1 C72.1 C73.2 C74.1 C75.1 C76.1 C77.2 C78.1 C79.1 C80.2 C81.1 C83.2 C84.1 C85.- C86.1 C87.1 C88.1 C89.1 C90.2 C91.2 C92.1 C94.1 C95.2 C96.1 C97.1 C98.2 C99.1 C100.1 C101.1 C102.2 C103.1 C104.1 C105.1 C106.2 C107.1 C108.1 C109.2 C110.2 C111.2 C112.2 C114.1 C115.1 C116.1 C117.1 C118.2 C120.2 C126.2 C127.2 C128.2 C129.2 C130.1 C131.1 C132.1 C133.2 C134.2 C135.2 C136.1 C137.1 C138.2 C139.1 C142.2 C143.1 C144.1 C147.1 C148.1 C149.1 C151.1 C152.1 C153.2 C154.1 C155.2 C156.1 C157.1 C158.- C159.1 C160.1 C161.2 D7.K D8.2 D9.K D10.1 D11.1 F1.1 F2.1 F3.1 F4.1 F5.1 F6.1 F7.1 F8.1 F9.1 F10.1 F11.2 F12.2 F13.2 F14.2 F15.2 F16.2 F17.2 F18.2 F19.2 F20.2 F21.2 F22.2 F23.2 F24.2 J1.5 J1.6 J1.7 J1.8 J1.9 J2.4 J2.5 J2.6 J3.1 J3.5 J4.3 J4.29 J4.36 J4.41 J4.42 J5.5 J5.36 J5.38 J5.48 J5.51 J5.52 J8.2 J8.3 J9.6 J9.11 J9.12 J10.6 J10.11 J10.12 P1.4 P1.6 P1.28 P1.41 P1.42 P1.50 P2.7 P3.3 P4.2 P6.2 Q3.2 R1.1 R3.2 R9.2 R10.1 R11.1 R15.1 R17.1 R19.2 R21.1 R22.1 R30.2 R32.1 R33.1 R42.1 R54.2 R55.2 R56.2 R57.2 R58.1 R64.2 R65.2 R68.1 R71.1 R73.2 R75.1 R76.1 R77.1 R78.2 SW1.1 SW3.1 SW4.1 SW5.1 U1.A9 U1.B1 U1.B3 U1.B9 U1.D1 U1.D8 U1.E1 U1.E2 U1.E8 U1.F9 U1.G1 U1.G8 U1.G9 U1.J2 U1.J8 U1.L2 U1.M1 U1.M9 U1.P1 U1.P9 U1.T1 U1.T9 U2.79 U2.GND_PAD U3.9 U3.16 U3.22 U3.46 U3.49 U4.2 U5.4 U5.9 U6.2 U7.2 U9.13 U9.36 U10.2 U11.4 U12.4 U13.4 | length 10202.2
  Top Layer w5: v2(2016,573) 2042.68,573 2043.34,573.66
  Top Layer w6: 2043.34,573.66 2058.11,588.43 U1.J8@2063.52,588.43
  Top Layer w7: v1(1221,2466) C67.1@1227,2466 ; U3.22@1275.88,2412.08 1275.88,2389.12 1276,2389 ; U3.49@1370.37,2331.37 v3(1351,2312) U3.49@1331,2292 v3(1351,2272) U3.49@1386.12,2236.88 ; 1370.37,2390.37 U3.16@1370.37,2412.08 ; U3.46@1386.12,2171.92 1386.12,2193.88 ; 1428.63,2331.37 U3.9@1451.08,2331.37 ; Q3.2@1561.4,797.66 1606,753.06 C142.2@1606,724 C137.1@1606,668 ; v2(1807.61,726.87) 1818.61,715.87 1841.6,715.87 U1.E1@1843.05,714.42 ; v2(1820.61,650.87) 1821.17,651.43 U1.G1@1843.05,651.43 ; v2(1826,821) 1838.09,808.91 U1.B1@1843.05,808.91 ; U1.P1@1843.05,430.95 U1.P1@1843.05,430.95 v2(1859,447) ; U1.M1@1843.05,493.94 1843.05,494.05 v2(1859,510) ; U1.D1@1843.05,745.91 1843.05,746.05 v2(1859,762) ; U1.L2@1874.56,525.44 v2(1890,510) ; U1.J2@1874.57,588.43 v2(1890,573) ; U1.E2@1874.58,714.42 v2(1890,699) ; U1.B3@1906.04,808.91 1907.91,808.91 1920.81,796 v2(1927,796) ; v2(2048.61,730.87) v2@2048.61,731.01 ; U1.G8@2063.52,651.43 U1.G9@2095.02,651.43 2113.05,651.43 v2(2114.61,649.87) ; U1.E8@2063.52,714.42 2048.68,730.93 v2@2048.61,731.01 ; U1.D8@2063.52,745.91 v2@2048.61,731.01 ; U1.T9@2095.02,367.96 2105,357.98 v2(2105,351) ; U1.P9@2095.02,430.95 2117.53,430.95 v2(2118.61,429.87) ; U1.M9@2095.02,493.94 2114.94,493.94 v2(2119,498) ; U1.F9@2095.02,682.92 2112.67,682.92 v2(2114.61,684.87) ; U1.B9@2095.02,808.91 v2(2118.61,808.87) v2(2118.61,808.87) ; U1.A9@2095.02,840.4 2112.4,840.4 v2(2117,845) ; C92.1@3172,250 3216.54,250 F10.1@3224,242.54 ; C153.2@3671,2782 C154.1@3671,2832
  Top Layer w10: v1@1514,2349 v1(1517,2349) ; v2@1843.05,348.05 U1.T1@1843.05,367.96 ; U9.13@2160.84,1419.22 2161,1419.38 2161,1455.69 2176.22,1470.91 v1(2176.22,1470.98) 2176.22,1476.78 v1(2166,1487)
  Top Layer w12: v1(239,80) 241.91,82.91 J5.52@241.91,156.02 ; v1(388,238) 388,243.7 395.46,251.15 J5.5@395.46,283.98 ; v1(501,237) 528,237 v1(530,239) ; J4.29@900.32,871.62 900.32,826.68 v1(920,807) ; J4.36@1038.12,871.62 1038.12,840.88 1064,815 v1(1064,775) ; SW4.1@1241,1233.77 SW3.1@1317,1233.77 1372.23,1233.77 v1(1373,1233) ; J5.48@1241.91,283.98 1241.91,242.09 v1(1249,235) ; 1276,2389 1276,2347 v3(1311,2312) U3.49@1331,2292 ; J5.51@1356.09,156.02 1380.02,156.02 v1(1385,161) ; 1370.37,2390.37 1370.37,2331.37 1428.63,2331.37 ; 1386.12,2193.88 U3.49@1386.12,2236.88 ; SW5.1@1511,1564.77 SW5.1@1711,1564.77 ; v1(1859,1254) C87.1@1859,1249 ; F2.1@1889.54,2625 1889.54,2619.46 v1(1925,2584) ; v1(1930,1257) v1@1927,1254 ; F11.2@2920,2326.54 2920,2304 v1(2938,2286) ; J9.6@3399.57,2685.13 3399.57,2634.43 v1(3404,2630) 3435,2599 v1(3435,2596) ; F16.2@3665.46,2649 3709,2649 v1(3710,2650) ; F12.2@3694,2410.54 3694,2403 v1(3721,2376) ; 3727,2443.54 v1@3727,2624 ; 1859,1221 v1(1859,1231) v1(1881,1231) ; 1859,1221 1861,1219 1879,1219 1881,1217 ; 1859,1221 v1(1859,1202) 1875,1202 v1(1881,1208) ; C87.1@1859,1249 v1@1881,1249 ; C87.1@1859,1249 1867,1241 1880,1241 1881,1240 ; v1(1881,1208) 1883,1208 v1(1906,1231) 1906,1233 1918,1245 ; v1(1881,1208) 1881,1217 ; 1881,1217 v1(1881,1231) ; v1(1881,1231) 1881,1240 ; 1881,1240 v1@1881,1249 ; v1@1881,1249 1900,1249 v1(1905,1254) ; v1@1881,1249 v1(1881,1254) v1(1905,1254) ; v1(1905,1254) v1@1927,1254 ; v1(1905,1254) 1905,1253 1898,1246 1892,1246 1888,1242 1888,1225 1908,1245 1918,1245 ; 1918,1245 v1@1927,1254
  Top Layer w15: F15.2@3644.46,2280 3650.46,2286 F17.2@3650.46,2352 ; F12.2@3694,2410.54 3727,2443.54 ; v1(3724,2627) v1@3727,2624
  Top Layer w20: C5.1@998,2261 998,2307.91 C106.2@1039.09,2349 ; v1(1544,353) 1546,355 v1(1585,355) ; v1(1546,386) 1571,411 C138.2@1571,447.91 ; v1(1585,386) 1615,386 v1(1616,385) ; v5(1655,2329) 1664.69,2319.31 1664.69,2317.54 v5(1670,2314) ; 1680,888 1694,888 R42.1@1728,854 1739,843 1739,648 1764,623 v1(1769,623) ; v1(1767,293) 1794,266 v1(1832,266) ; v1(1768,413) 1769,414 v1(1769,538)
  Top Layer w24: v1@1678.46,1250 v1(1685,1250) v1(1685,1195) v1@1685,1168 ; v1(1684,1169) v1@1685,1168 ; 1685,1147 1689,1143 ; 1689,1025 U7.2@1689,1063.97 1689,1143 ; v1(2005,2082) 2080,2007 v1(2081,2007) ; C65.1@3607,904 v1(3607,905) ; v1@1685,1168 1689,1164 1689,1143
  Top Layer w25: 43.63,1910.63 64.63,1931.63 ; C38.2@1237,2545 C37.2@1237,2591 ; F16.2@3665.46,2649 3693,2621.46 F13.2@3693,2595.46
  Top Layer w40: U5.4@457.35,2162 501,2162 567,2228 U5.9@567,2237
  Top Layer w50: v1(2421,2419) 2426.2,2424.2 J2.4@2426.2,2533.52 ; v1(2423,2382) 2457,2382 v1(2462,2377)
  power w12: v1@1865,1208 1870,1208 ; v1@1865,1208 1870,1213 1870,1254 ; v1@1865,1208 v1(1859,1202) v1(1859,1231) v1(1859,1254) 1870,1254 ; 1870,1208 v1(1881,1208) ; 1870,1208 1881,1219 ; 1870,1254 v1(1881,1254) ; v1(1881,1208) 1881,1219 ; v1(1881,1208) 1883,1208 v1(1906,1231) ; 1881,1219 v1(1881,1231) ; 1881,1219 1893,1231 ; v1(1881,1231) v1(1881,1254) ; v1(1881,1231) v1@1882,1231 ; v1(1881,1254) v1@1884,1254 ; v1@1882,1231 1894.5,1243.5 ; v1@1882,1231 1893,1231 ; v1@1884,1254 1894.5,1243.5 ; v1@1884,1254 v1(1905,1254) ; 1893,1231 1905,1243 v1(1905,1254) ; 1893,1231 v1(1906,1231) ; 1894.5,1243.5 v1(1905,1254) ; v1(1905,1254) 1927,1254 1906,1233 v1(1906,1231)
  power w20: v1(1544,353) 1546,355 v1(1546,386) ; v1(1585,355) v1(1585,386) 1615,386 v1(1616,385)
  power w24: v1(1684,1169) 1685,1170 v1(1685,1195)
  gnd w12: v1(1859,1231) v1(1881,1231) ; v1(1881,1254) v1(1905,1254)
  gnd w20: v1(1859,1254) v1(1881,1254) ; 1874,1218 1874,1224 v1(1881,1231) 1887,1231 1899,1243 1866,1243 1859,1250 v1(1859,1231) v1(1859,1202) 1865,1208 v1(1881,1208) 1883,1208 v1(1906,1231) 1906,1233 1927,1254 v1(1905,1254)
  gnd w25: 43.63,1910.63 64.63,1931.63
  Bottom Layer w8: D8.2@712.34,60.6 819.4,60.6 R78.2@820,60 ; C110.2@3117,248 3163,248 3168,253 C109.2@3168,295 3172.46,290.54 F7.1@3224,290.54
  Bottom Layer w9: C70.1@2931.44,1513 C70.1@2933,1513
  Bottom Layer w10: R1.1@1255,2133 1255,2140.28 1303.72,2189 C12.2@1314,2189 1325,2189 1342,2172 1342,2159 1358,2143 C66.2@1371,2143 ; v3(1351,2352) 1351,2391 C45.2@1353,2393 ; C23.2@1492,2290 1511,2309 C73.2@1511,2347 C63.2@1511,2393 ; R22.1@2538,1259 2582,1259 C27.1@2585,1262 ; 2847,1536 2848,1537
  Bottom Layer w12: v1(343,979) 336.79,972.79 331.38,972.79 330,971.41 R77.1@330,949 R76.1@376,949 v1(422,949) ; v1(371,448) 371,299 387,283 R54.2@406.97,283 ; v1(453,239) 499,239 v1(501,237) ; C94.1@694,2267 742,2267 750,2259 750,2135 ; v1(756,918) 766,908 C120.2@846,908 ; 1044,287 1044,248 v1(1056,236) ; 1160,2247 C11.1@1160,2287 ; C11.1@1160,2293 C11.1@1160,2287 ; C11.1@1173,2306 C56.1@1173,2347 ; R73.2@1212,236 1248,236 v1(1249,235) ; C4.1@1227,2290 1163,2290 C11.1@1160,2287 ; R65.2@1354,61 R64.2@1400,61 1419,61 v1(1422,64) ; R15.1@1492,2238 C23.2@1492,2290 ; v1(1905,1254) 1908,1257 v1(1930,1257) ; C52.2@2787,1513 C48.1@2833,1513 2833,1522 2847,1536 ; v1(3710,2650) 3724,2636 v1(3724,2627)
  Bottom Layer w15: v1(1182,2442) 1182.5,2441.5 C64.1@1182.5,2397.5 ; v1(1221,2466) R11.1@1252,2494 ; v1(2166,1487) 2166,1481.2 v1(2176.22,1470.98) ; C54.2@3058,712 C77.2@3104,758 3104,765 3129,790 3188,790 3199,779 C76.1@3205,779 C58.1@3251,779 C78.1@3297,779 ; 3262,1824 3263.6,1825.6 D10.1@3311.66,1825.6
  Bottom Layer w20: C64.1@1182.5,2397.5 C64.1@1187,2393 ; v1(1546,386) v1(1585,386) ; v1(1585,355) 1586,355 v1(1616,385) ; C112.2@1630.91,2292 1641.91,2303 1644.91,2300 v5(1657,2300) ; C112.2@1655,2303 v5(1655,2329) ; v1(1767,293) 1766,294 1768,296 v1(1768,413) ; v1(1769,538) v1(1769,623) ; v1@1858,1252 1858,1244 1859,1243 ; C50.2@2584,1209 2585,1210 C27.1@2585,1262 2599,1276 C49.2@2599,1308 ; C24.2@2701,1378 2774,1378 C29.1@2808,1412 C51.2@2854,1412 ; C74.1@2965,1412 C28.1@3011,1412 ; v1(3116,2612) 3119.43,2615.43 J10.6@3119.43,2685.13 ; v1(1859,1231) v1(1859,1202) 1865,1208 v1(1881,1208) 1883,1208 v1(1906,1231) ; v1(1859,1231) v1(1881,1231) v1(1906,1231) ; v1(1859,1231) 1859,1243 ; 1859,1243 1860,1244 1903,1244 1906,1241 v1@1906,1233 ; 1859,1243 v1(1859,1254) v1(1881,1254) v1(1905,1254) 1927,1254 v1@1906,1233 ; v1(1906,1231) v1@1906,1233
  Bottom Layer w24: v1(1117,166) C118.2@1121,162 ; v1(1685,1195) 1685,1222 ; v1(2005,2082) 2006,2083 C128.2@2133,2083 ; v1(2081,2007) 2149,1939 v1(2154,1939)
  Bottom Layer w25: 1392.5,2330.5 1391,2329 ; v3(1271,2272) v3(1311,2272) ; v3(1271,2272) v3(1271,2312) ; v3(1271,2272) v3(1271,2232) v3(1311,2232) ; v3(1271,2312) v3(1311,2312) ; v3(1271,2312) v3(1271,2352) v3(1311,2352) ; v3(1311,2232) v3(1311,2272) ; v3(1311,2232) v3(1351,2232) ; v3(1311,2272) v3(1351,2272) ; v3(1311,2272) v3(1311,2312) ; v3(1311,2312) v3(1351,2312) ; v3(1311,2312) v3(1311,2352) ; v3(1311,2352) v3(1351,2352) ; v3(1351,2232) v3(1351,2272) ; v3(1351,2232) v3(1391,2232) v3(1391,2272) ; v3(1351,2272) v3(1351,2312) ; v3(1351,2272) v3(1391,2272) ; v3(1351,2312) v3(1351,2352) ; v3(1351,2312) v3(1391,2312) ; v3(1351,2352) v3(1391,2352) 1391,2329 ; v3(1391,2272) v3(1391,2312) ; v3(1391,2312) 1391,2329
  Bottom Layer w50: v1(2421,2419) 2423,2417 v1(2423,2382)
  other v1: 1906,27 1985.75,27 2065.5,27 2145.25,27 2225,27 2304.75,27 2384.5,27 2464.25,27 2544,27 2623.75,27 2703.5,27 2783.25,27 2863,27 1906,69 1957,82 1276,162 252,609 204,905 50,1055 2684,1089 20,1355 50,1655 1432,1820 20,1955 140,1955 50,2015 170,2015 20,2075 80,2075 50,2135 110,2135 20,2195 80,2195 140,2195 200,2195 50,2255 110,2255 20,2315 80,2315 470,2375 530,2375 590,2375 20,2435 200,2435 500,2435 560,2435 290,2495 530,2495 590,2495 20,2555 80,2555 140,2555 320,2555 380,2555 440,2555 290,2615 350,2615 20,2675 320,2675 380,2675 440,2675 500,2675 560,2675 50,2735 110,2735 290,2735 350,2735 410,2735 470,2735 530,2735 590,2735 3890,2735 20,2795 80,2795 140,2795 320,2795 380,2795 500,2795 560,2795 3860,2795
  other v2: 1842,347
  other v4: 3022,998.01 2937,1008 3108,1009 2924,1096 3119.99,1096 3112,1179 2935,1182 3022,1194
  other v6: 3022,1096
HPCOM: F8.2 J7.1 J7.5 R35.2 U2.77 | length 1160.4
  Top Layer w7: v1(3135,573) 3187.35,625.35 U2.77@3187.35,666.87
  Bottom Layer w8: v1(3135,573) 3097,535 3097,403 3078,384 3078,182 3117,143 R35.2@3164,143 3222.54,143 F8.2@3223,142.54 3311.72,142.54 J7.1@3329.33,160.14 ; J7.1@3329.33,163.14 J7.1@3329.33,160.14 ; J7.5@3620.67,123.77 3569.9,73 3410,73 3329.33,153.67 J7.1@3329.33,160.14
HPOUTL: F7.2 J7.2 R34.2 U2.74 | length 563.6
  Top Layer w7: v1(3121,617) 3140.11,636.11 U2.74@3140.11,666.87
  Bottom Layer w8: v1(3121,617) 3125,613 3144,613 3160.62,596.38 3160.62,564 3142,545.38 3142,381 3168,355 R34.2@3168,341 3234.54,341 F7.2@3235,341.46
  Bottom Layer w12: F7.2@3246.87,341.46 J7.2@3329.33,423.92
HPOUTR: F9.2 J7.3 R36.2 U2.78 | length 846.1
  Top Layer w7: v1(3199,602) 3203.1,606.1 U2.78@3203.1,666.87
  Bottom Layer w8: R36.2@3178,490 3165,503 3165,543 3199,577 v1(3199,602)
  Bottom Layer w12: R36.2@3183,498 3197,498 3208,509 3467,509 3626.46,349.54 F9.2@3658,349.54 3658,299.83 J7.3@3620.67,262.5